# Altium PCB MotionBoard.PcbDoc (part 2 of 3)
Units mm, origin at the board's own origin, x right, y up, seen from the top; angles counter-clockwise.
Board outline 120 x 80 mm, 8 copper layers (Top Layer 1, GND, Inner 1, Inner 2, Inner 3, Inner 4, PWR, Bottom Layer 1), stack 1.028 mm thick; 748 components, 487 nets, 2634 pads, 32 vias.
Unrouted connection lines stored in the file: 1934.
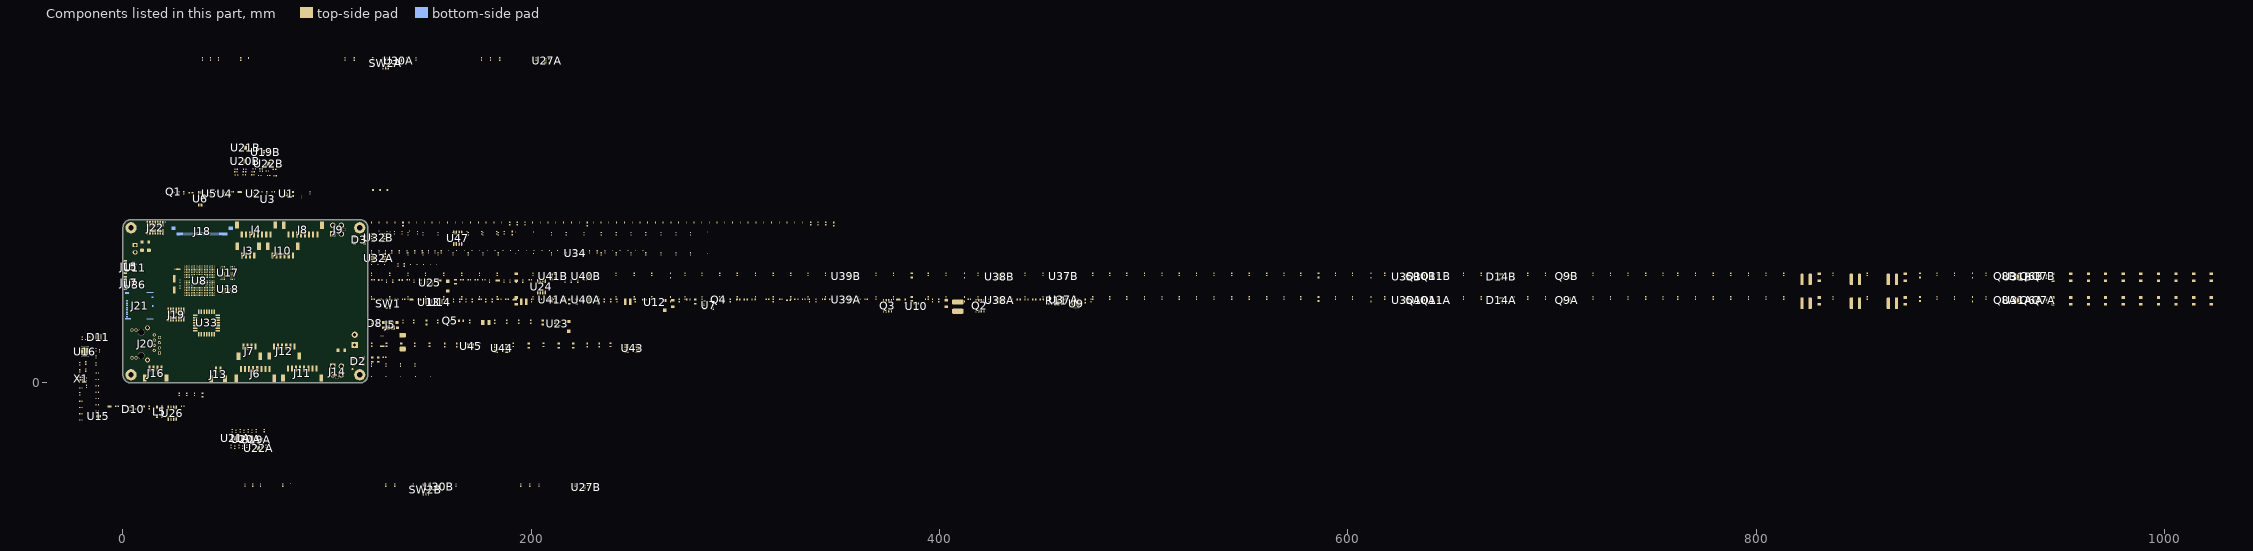
[diagram p4: the components of this part, seen from the top]

## Components (designator, comment, footprint, x,y, rotation, side; value= is the part's Value field where it differs from the comment) (continued)
R109B "5.6" SM/R0402 617.999,53.2 r90 top (schematic designator R109)
R110A "10k" SM/R0402 560.299,41.6 r90 top (schematic designator R110)
R110B "10k" SM/R0402 560.299,53.2 r90 top (schematic designator R110)
R111A "10k" SM/R0402 568.699,41.6 r90 top (schematic designator R111)
R111B "10k" SM/R0402 568.699,53.2 r90 top (schematic designator R111)
R112A "10k" SM/R0402 576.899,41.6 r90 top (schematic designator R112)
R112B "10k" SM/R0402 576.899,53.2 r90 top (schematic designator R112)
R113A "120" SM/R0402 517.399,41.6 r90 top (schematic designator R113)
R113B "120" SM/R0402 517.399,53.2 r90 top (schematic designator R113)
R114A "120" SM/R0402 508.999,41.6 r90 top (schematic designator R114)
R114B "120" SM/R0402 508.999,53.2 r90 top (schematic designator R114)
R115A "10k" SM/R0402 474.999,41.6 r90 top (schematic designator R115)
R115B "10k" SM/R0402 474.999,53.2 r90 top (schematic designator R115)
R116A "10k" SM/R0402 483.399,41.6 r90 top (schematic designator R116)
R116B "10k" SM/R0402 483.399,53.2 r90 top (schematic designator R116)
R117A "5.6" SM/R0402 466.599,41.6 r90 top (schematic designator R117)
R117B "5.6" SM/R0402 466.599,53.2 r90 top (schematic designator R117)
R118A "5.6" SM/R0402 418.799,41.6 r90 top (schematic designator R118)
R118B "5.6" SM/R0402 418.799,53.2 r90 top (schematic designator R118)
R119A "120" SM/R0402 327.099,41.6 r90 top (schematic designator R119)
R119B "120" SM/R0402 327.099,53.2 r90 top (schematic designator R119)
R120A "120" SM/R0402 318.499,41.6 r90 top (schematic designator R120)
R120B "120" SM/R0402 318.499,53.2 r90 top (schematic designator R120)
R121A "10k" SM/R0402 275.299,41.6 r90 top (schematic designator R121)
R121B "10k" SM/R0402 275.299,53.2 r90 top (schematic designator R121)
R122A "10k" SM/R0402 283.699,41.6 r90 top (schematic designator R122)
R122B "10k" SM/R0402 283.699,53.2 r90 top (schematic designator R122)
R123A "5.6" SM/R0402 309.799,41.6 r90 top (schematic designator R123)
R123B "5.6" SM/R0402 309.799,53.2 r90 top (schematic designator R123)
R124A "100" SM/R0402 216.6,41.6 r90 top (schematic designator R124)
R124B "100" SM/R0402 216.6,53.2 r90 top (schematic designator R124)
R125A "22" SM/R0402 200.8,41.6 r90 top (schematic designator R125)
R125B "22" SM/R0402 200.8,53.2 r90 top (schematic designator R125)
R126A "2m" SM/R1206 192.7,40.2 r90 top (schematic designator R126)
R126B "2m" SM/R1206 192.7,51.8 r90 top (schematic designator R126)
R127A "100" SM/R0402 174.6,41.6 r90 top (schematic designator R127)
R127B "100" SM/R0402 174.6,53.2 r90 top (schematic designator R127)
R128A "162k" SM/R0402 166,41.6 r90 top (schematic designator R128)
R128B "162k" SM/R0402 166,53.2 r90 top (schematic designator R128)
R129A "300k" SM/R0402 139.6,41.6 r90 top (schematic designator R129)
R129B "300k" SM/R0402 139.6,53.2 r90 top (schematic designator R129)
R130 "470" SM/R0805 213.5,18.3 r90 top
R131 "470" SM/R0805 220.6,18.3 r90 top
R132 "180" SM/R0603 150.2,18.7 r90 top net-tie
R133 "180" SM/R0603 143,18.7 r90 top net-tie
R134 "10k" SM/R0603 121.9,18.7 r90 top
R135 "10k" SM/R0603 129.1,18.7 r90 top
R159 "49.9" SM/R0402 196.9,78.1 r90 top
R160 "340k" SM/R0402 272.499,40.4 r90 top
R161 "10k" SM/R0402 250.899,40.4 r90 top
R162 "28k" SM/R0402 241.999,40.4 r90 top
R163 "909" SM/R0402 200.1,40.4 r90 top
R164 "10k" SM/R0402 142.9,64.2 r90 top
R165 "3.3k" SM/R0402 121.8,64.2 r90 top
R166 "0" SM/R0402 131.7,64.2 r90 top
R167 "0" SM/R0402 135.4,64.2 r90 top
R168 "0" SM/R0402 139.2,64.2 r90 top
R169 "0" SM/R1206 269.299,38.9 r90 top
R170 "30k" SM/R0402 186.8,73.6 r90 top
R171 "10k" SM/R0402 168.5,73.6 r90 top
R172 "15k" SM/R0402 144.3,73.6 r90 top
R173 "10k" SM/R0402 133,73.6 r90 top
R174 "30k" SM/R0402 136.7,73.6 r90 top
R175 "15k" SM/R0402 129.3,73.6 r90 top
S1 "M2.5" HW/HOLE/M2.5/VIA 4,4 r0 top locked
S2 "M2.5" HW/HOLE/M2.5/VIA 4,76 r0 top locked
S3 "M2.5" HW/HOLE/M2.5/VIA 116,4 r0 top locked
S4 "M2.5" HW/HOLE/M2.5/VIA 116,76 r0 top locked
SW1 "RESET" "PB TL6330" 130,38.8 r90 top value=TL6330AF200Q
SW2A "CS-4-22YTA" CS-4-22YA 128.7,156.484 r0 top (schematic designator SW2)
SW2B "CS-4-22YTA" CS-4-22YA 148.4,-52.216 r0 top (schematic designator SW2)
TP1 "RCUCTE" TP/RCUCT 57.2,93.484 r0 top
TP2 "RCUCTE" TP/RCUCT 461.599,40.8 r0 top
TP3 "RCUCTE" TP/RCUCT 379.799,40.8 r0 top
TP4 "RCUCTE" TP/RCUCT 215.3,40.8 r0 top
TP5 "RCUCTE" TP/RCUCT 191.9,40.8 r0 top
TP6 "RCUCTE" TP/RCUCT 145.2,40.8 r0 top
TP7 "RCUCTE" TP/RCUCT 141.3,40.8 r0 top
TP8 "RCUCTE" TP/RCUCT 183.6,50.2 r0 top
TP9 "RCUCTE" TP/RCUCT 155,50.2 r0 top
TP10 "RCUCTE" TP/RCUCT 9.884,-11.6 r0 top
TP11 "RCUCTE" TP/RCUCT -6.616,-11.6 r0 top
TP12 "RCUCTE" TP/RCUCT 27.1,55.7 r0 top
TP13 "RCUCTE" TP/RCUCT 255.299,40.8 r0 top
TP14 "RCUCTE" TP/RCUCT 127,18 r0 top
U1 "TXU0304" QFN40P170X200X55-12N 79.9,92.584 r0 top
U2 "TXU0304" QFN40P170X200X55-12N 63.8,92.584 r0 top
U3 "AS6214-AWLT-L" BGA6C40P3X2_131X102X60 71,90 r0 top
U4 "TXU0304" QFN40P170X200X55-12N 49.8,92.584 r0 top
U5 "TXU0304" QFN40P170X200X55-12N 42.2,92.584 r0 top
U6 "ISP281" SOIC-4 37.2,87.084 r90 top
U7 "TPSM5601R5HRDAR" TPSM5601R5HX 286.899,38.1 r0 top
U8 "TMS320F28388DZWTS" BGA337C80P19X19_1600X1600X140 37.5,50 r180 top locked
U9 "BD9611MUV-E2" QFN50P400X400X90-21N 466.899,38.9 r0 top
U10 "REF2030" SOT95P280X110-5N 388.599,37.6 r90 top
U11 "TXS0102QDCURQ1" TSSOP50P310X90-8N 5.7,56.5 r270 bottom
U12 "TPS62420DRCR" IC_TPS62420DRCR 260.499,39.5 r0 top
U13 "TPS3702CX33DDCT" SOT23-6 149.8,39.6 r0 top
U14 "TPS3702CX12DDCT" SOT23-6 155.1,39.6 r0 top
U15 "DT1140-04LP-UP" SOT1165-1 -11.984,-16.4 r90 top
U16 "DP83822IRHBR" IC_DP83822IRHBR -18.684,15.3 r90 top
U17 "AS4C16M16SA-6BIN" TFBGA-54 51.34,53.9 r0 top locked
U18 "IS61WV25616BLL-10BLI" BGA48C75P8X6_800X600X120N 51.365,45.975 r270 top locked
U19A "MAX4789EUK+T" SOT23-5 65.3,-27.9 r0 top (schematic designator U19)
U19B "MAX4789EUK+T" SOT23-5 70.055,112.95 r0 top (schematic designator U19)
U20A "MAX13431" DFN10_3X3MC_MCH-M 60.5,-27.5 r0 top (schematic designator U20)
U20B "MAX13431" DFN10_3X3MC_MCH-M 59.911,108.6 r0 top (schematic designator U20)
U21A "MAX13431" DFN10_3X3MC_MCH-M 55.2,-27.2 r0 top (schematic designator U21)
U21B "MAX13431" DFN10_3X3MC_MCH-M 60.055,115.2 r0 top (schematic designator U21)
U22A "MAX13431" DFN10_3X3MC_MCH-M 66.5,-31.916 r0 top (schematic designator U22)
U22B "MAX13431" DFN10_3X3MC_MCH-M 71.355,107.3 r0 top (schematic designator U22)
U23 "AP22814AW5-7" SOT23-5 212.7,29.1 r0 top
U24 "OPA1688ID" SOIC8 205,47.1 r90 top
U25 "LM27313DBV" SOT23-6 150.4,49 r0 top
U26 "MAX3051ESA+T" SOIC8 24.184,-14.8 r90 top
U27A "MAX4789EUK+T" SOT23-5 207.9,157.784 r0 top (schematic designator U27)
U27B "MAX4789EUK+T" SOT23-5 226.9,-51.016 r0 top (schematic designator U27)
U30A "MAX13431" DFN10_3X3MC_MCH-M 135.2,157.884 r0 top (schematic designator U30)
U30B "MAX13431" DFN10_3X3MC_MCH-M 155,-50.816 r0 top (schematic designator U30)
U31A "UCC27212DPRT" PSON80P400X80_HS-11N 928.098,40.4 r0 top (schematic designator U31)
U31B "UCC27212DPRT" PSON80P400X80_HS-11N 928.098,52 r0 top (schematic designator U31)
U32A "OPA1662" SOIC8 125.2,61.2 r0 top (schematic designator U32)
U32B "OPA1662" SOIC8 125.2,71.2 r0 top (schematic designator U32)
U33 "MTI-2-0I" MTI-1_PLCC_28P 41.007,29.413 r0 top locked
U34 "DG4051EEN-T1-GE4" QFN40P180X260X60-16N 221.6,63.6 r0 top
U35A "UCC27212DPRT" PSON80P400X80_HS-11N 628.899,40.4 r0 top (schematic designator U35)
U35B "UCC27212DPRT" PSON80P400X80_HS-11N 628.899,52 r0 top (schematic designator U35)
U36 "TXS0102QDCURQ1" TSSOP50P310X90-8N 5.7,48 r270 bottom
U37A "INA241A2IDDFR" SOT65P280X110-8N 460.899,40.7 r0 top (schematic designator U37)
U37B "INA241A2IDDFR" SOT65P280X110-8N 460.899,52.3 r0 top (schematic designator U37)
U38A "UCC27212DPRT" PSON80P400X80_HS-11N 429.399,40.4 r0 top (schematic designator U38)
U38B "UCC27212DPRT" PSON80P400X80_HS-11N 429.399,52 r0 top (schematic designator U38)
U39A "INA241A2IDDFR" SOT65P280X110-8N 354.399,40.7 r0 top (schematic designator U39)
U39B "INA241A2IDDFR" SOT65P280X110-8N 354.399,52.3 r0 top (schematic designator U39)
U40A "INA241A1IDDFR" SOT65P280X110-8N 226.9,40.7 r0 top (schematic designator U40)
U40B "INA241A1IDDFR" SOT65P280X110-8N 226.9,52.3 r0 top (schematic designator U40)
U41A "LMV331" SOT23-5 210.9,40.7 r0 top (schematic designator U41)
U41B "LMV331" SOT23-5 210.9,52.3 r0 top (schematic designator U41)
U43 "24CW128" SOIC8 249.399,16.9 r0 top
U44 "DS1307" SOIC8 185.5,16.9 r0 top
U45 "SN74AUC2G07DBVT" SOT23-6 170.3,18 r0 top
U47 "OPA1662" SOIC8 164,70.9 r90 top
X1 "ECS-250-10-37B-CTN-TR" XTAL_ECS-160-9-37-CKM-TR -20.484,2.1 r90 top value="25 MHz"
X2 "ECS-160-20-3X-TR" XTAL-ECS-160-20-3X-TR 25.1,48.3 r270 top value=10MHz

## Footprints (in the part's own frame and the unit in brackets; to place one, negate y for a bottom-side part, rotate by r counter-clockwise, add the part's x,y. Pads: shape width x height; smd on the part's side, far side on the other; paste and mask are expansions set on the pad)
687150149022 [mm]
  rect 0.3x1.3 smd: 1(-12.25,0)
  rrect50% 0.3x1.3 smd: 2(-11.75,0) 3(-11.25,0) 4(-10.75,0) 5(-10.25,0) 6(-9.75,0) 7(-9.25,0) 8(-8.75,0) 9(-8.25,0) 10(-7.75,0) 11(-7.25,0) 12(-6.75,0) 13(-6.25,0) 14(-5.75,0) 15(-5.25,0) 16(-4.75,0) 17(-4.25,0) 18(-3.75,0) 19(-3.25,0) 20(-2.75,0) 21(-2.25,0) 22(-1.75,0) 23(-1.25,0) 24(-0.75,0) 25(-0.25,0) 26(0.25,0) 27(0.75,0) 28(1.25,0) 29(1.75,0) 30(2.25,0) 31(2.75,0) 32(3.25,0) 33(3.75,0) 34(4.25,0) 35(4.75,0) 36(5.25,0) 37(5.75,0) 38(6.25,0) 39(6.75,0) 40(7.25,0) 41(7.75,0) 42(8.25,0) 43(8.75,0) 44(9.25,0) 45(9.75,0) 46(10.25,0) 47(10.75,0) 48(11.25,0) 49(11.75,0) 50(12.25,0)
  rect 2x1.8 smd: S(-14.05,-2.75) S(14.05,-2.75)
  silkscreen extent -14.7,-1.2 14.7,0.5, body extent -14.55,-6.22 14.55,0.28, height 2.22
ACT45B [mm] "COMMON MODE CHOKE"
  rect 1.35x0.9 smd: 1(-2.275,1.25) 2(-2.275,-1.25) 3(2.275,-1.25) 4(2.275,1.25)
  silkscreen extent -2.5,-1.6 2.4,2.2, body extent -2.25,-1.6 2.25,1.6, height 3
ARJM11D7-009-AB-EW2 [mm] "ARJM11D7-009-AB-EW2 Manufacturer Guidelines"
  rrect50% 1.5x1.5 hole 0.9: 1(4.445,8.89)
  round 1.5 hole 0.9: 2(3.175,6.35) 3(1.905,8.89) 4(0.635,6.35) 5(-0.635,8.89) 6(-1.905,6.35) 7(-3.175,8.89) 8(-4.445,6.35)
  round 1.6 hole 1: 9(-6.785,-2.54) 10(-6.785,-4.57) 11(6.785,-2.54) 12(6.785,-4.57)
  round 2.3 hole 1.7: S(-7.85,3.05) S(7.85,3.05)
  round 3.25 hole 3.25 unplated: ""(-5.715,0) ""(5.715,0)
  silkscreen extent -8.2,6 8.8,11, body extent -7.99,-10.8 7.99,10.85, height 13.8
BGA6C40P3X2_131X102X60 [mm] "BGA, 6-Leads, Body 1.31x1.02mmx0.60mm, Pitch 0.40mm"
  round 0.2 smd: A1(-0.4,0.2) A2(0,0.2) A3(0.4,0.2) B1(-0.4,-0.2) B2(0,-0.2) B3(0.4,-0.2)
  silkscreen extent -0.81,0.57 -0.71,0.67, body extent -0.65,-0.52 0.65,0.52, height 0.6
BGA48C75P8X6_800X600X120N [mm]
  round 0.33 smd: A1(-1.875,2.625) A2(-1.125,2.625) A3(-0.375,2.625) A4(0.375,2.625) A5(1.125,2.625) A6(1.875,2.625) B1(-1.875,1.875) B2(-1.125,1.875) B3(-0.375,1.875) B4(0.375,1.875) B5(1.125,1.875) B6(1.875,1.875) C1(-1.875,1.125) C2(-1.125,1.125) C3(-0.375,1.125) C4(0.375,1.125) C5(1.125,1.125) C6(1.875,1.125) D1(-1.875,0.375) D2(-1.125,0.375) D3(-0.375,0.375) D4(0.375,0.375) D5(1.125,0.375) D6(1.875,0.375) E1(-1.875,-0.375) E2(-1.125,-0.375) E3(-0.375,-0.375) E4(0.375,-0.375) E5(1.125,-0.375) E6(1.875,-0.375) F1(-1.875,-1.125) F2(-1.125,-1.125) F3(-0.375,-1.125) F4(0.375,-1.125) F5(1.125,-1.125) F6(1.875,-1.125) G1(-1.875,-1.875) G2(-1.125,-1.875) G3(-0.375,-1.875) G4(0.375,-1.875) G5(1.125,-1.875) G6(1.875,-1.875) H1(-1.875,-2.625) H2(-1.125,-2.625) H3(-0.375,-2.625) H4(0.375,-2.625) H5(1.125,-2.625) H6(1.875,-2.625)
  silkscreen extent -3.5,-4 3,4, body extent -3,-4 3,4, height 1.2
BGA337C80P19X19_1600X1600X140 [mm]
  round 0.45 smd: A1(-7.2,7.2) A2(-6.4,7.2) A3(-5.6,7.2) A4(-4.8,7.2) A5(-4,7.2) A6(-3.2,7.2) A7(-2.4,7.2) A8(-1.6,7.2) A9(-0.8,7.2) A10(0,7.2) A11(0.8,7.2) A12(1.6,7.2) A13(2.4,7.2) A14(3.2,7.2) A15(4,7.2) A16(4.8,7.2) A17(5.6,7.2) A18(6.4,7.2) A19(7.2,7.2) B1(-7.2,6.4) B2(-6.4,6.4) B3(-5.6,6.4) B4(-4.8,6.4) B5(-4,6.4) B6(-3.2,6.4) B7(-2.4,6.4) B8(-1.6,6.4) B9(-0.8,6.4) B10(0,6.4) B11(0.8,6.4) B12(1.6,6.4) B13(2.4,6.4) B14(3.2,6.4) B15(4,6.4) B16(4.8,6.4) B17(5.6,6.4) B18(6.4,6.4) B19(7.2,6.4) C1(-7.2,5.6) C2(-6.4,5.6) C3(-5.6,5.6) C4(-4.8,5.6) C5(-4,5.6) C6(-3.2,5.6) C7(-2.4,5.6) C8(-1.6,5.6) C9(-0.8,5.6) C10(0,5.6) C11(0.8,5.6) C12(1.6,5.6) C13(2.4,5.6) C14(3.2,5.6) C15(4,5.6) C16(4.8,5.6) C17(5.6,5.6) C18(6.4,5.6) C19(7.2,5.6) D1(-7.2,4.8) D2(-6.4,4.8) D3(-5.6,4.8) D4(-4.8,4.8) D5(-4,4.8) D6(-3.2,4.8) D7(-2.4,4.8) D8(-1.6,4.8) D9(-0.8,4.8) D10(0,4.8) D11(0.8,4.8) D12(1.6,4.8) D13(2.4,4.8) D14(3.2,4.8) D15(4,4.8) D16(4.8,4.8) D17(5.6,4.8) D18(6.4,4.8) D19(7.2,4.8) E1(-7.2,4) E2(-6.4,4) E3(-5.6,4) E4(-4.8,4) E5(-4,4) E6(-3.2,4) E7(-2.4,4) E8(-1.6,4) E9(-0.8,4) E10(0,4) E11(0.8,4) E12(1.6,4) E13(2.4,4) E14(3.2,4) E15(4,4) E16(4.8,4) E17(5.6,4) E18(6.4,4) E19(7.2,4) F1(-7.2,3.2) F2(-6.4,3.2) F3(-5.6,3.2) F4(-4.8,3.2) F5(-4,3.2) F6(-3.2,3.2) F7(-2.4,3.2) F8(-1.6,3.2) F9(-0.8,3.2) F10(0,3.2) F11(0.8,3.2) F12(1.6,3.2) F13(2.4,3.2) F14(3.2,3.2) F15(4,3.2) F16(4.8,3.2) F17(5.6,3.2) F18(6.4,3.2) F19(7.2,3.2) G1(-7.2,2.4) G2(-6.4,2.4) G3(-5.6,2.4) G4(-4.8,2.4) G5(-4,2.4) G6(-3.2,2.4) G14(3.2,2.4) G15(4,2.4) G16(4.8,2.4) G17(5.6,2.4) G18(6.4,2.4) G19(7.2,2.4) H1(-7.2,1.6) H2(-6.4,1.6) H3(-5.6,1.6) H4(-4.8,1.6) H5(-4,1.6) H6(-3.2,1.6) H8(-1.6,1.6) H9(-0.8,1.6) H10(0,1.6) H11(0.8,1.6) H12(1.6,1.6) H14(3.2,1.6) H15(4,1.6) H16(4.8,1.6) H17(5.6,1.6) H18(6.4,1.6) H19(7.2,1.6) J1(-7.2,0.8) J2(-6.4,0.8) J3(-5.6,0.8) J4(-4.8,0.8) J5(-4,0.8) J6(-3.2,0.8) J8(-1.6,0.8) J9(-0.8,0.8) J10(0,0.8) J11(0.8,0.8) J12(1.6,0.8) J14(3.2,0.8) J15(4,0.8) J16(4.8,0.8) J17(5.6,0.8) J18(6.4,0.8) J19(7.2,0.8) K1(-7.2,0) K2(-6.4,0) K3(-5.6,0) K4(-4.8,0) K5(-4,0) K6(-3.2,0) K8(-1.6,0) K9(-0.8,0) K10(0,0) K11(0.8,0) K12(1.6,0) K14(3.2,0) K15(4,0) K16(4.8,0) K17(5.6,0) K18(6.4,0) K19(7.2,0) L1(-7.2,-0.8) L2(-6.4,-0.8) L3(-5.6,-0.8) L4(-4.8,-0.8) L5(-4,-0.8) L6(-3.2,-0.8) L8(-1.6,-0.8) L9(-0.8,-0.8) L10(0,-0.8) L11(0.8,-0.8) L12(1.6,-0.8) L14(3.2,-0.8) L15(4,-0.8) L16(4.8,-0.8) L17(5.6,-0.8) L18(6.4,-0.8) L19(7.2,-0.8) M1(-7.2,-1.6) M2(-6.4,-1.6) M3(-5.6,-1.6) M4(-4.8,-1.6) M5(-4,-1.6) M6(-3.2,-1.6) M8(-1.6,-1.6) M9(-0.8,-1.6) M10(0,-1.6) M11(0.8,-1.6) M12(1.6,-1.6) M14(3.2,-1.6) M15(4,-1.6) M16(4.8,-1.6) M17(5.6,-1.6) M18(6.4,-1.6) M19(7.2,-1.6) N1(-7.2,-2.4) N2(-6.4,-2.4) N3(-5.6,-2.4) N4(-4.8,-2.4) N5(-4,-2.4) N6(-3.2,-2.4) N14(3.2,-2.4) N15(4,-2.4) N16(4.8,-2.4) N17(5.6,-2.4) N18(6.4,-2.4) N19(7.2,-2.4) P1(-7.2,-3.2) P2(-6.4,-3.2) P3(-5.6,-3.2) P4(-4.8,-3.2) P5(-4,-3.2) P6(-3.2,-3.2) P7(-2.4,-3.2) P8(-1.6,-3.2) P9(-0.8,-3.2) P10(0,-3.2) P11(0.8,-3.2) P12(1.6,-3.2) P13(2.4,-3.2) P14(3.2,-3.2) P15(4,-3.2) P16(4.8,-3.2) P17(5.6,-3.2) P18(6.4,-3.2) P19(7.2,-3.2) R1(-7.2,-4) R2(-6.4,-4) R3(-5.6,-4) R4(-4.8,-4) R5(-4,-4) R6(-3.2,-4) R7(-2.4,-4) R8(-1.6,-4) R9(-0.8,-4) R10(0,-4) R11(0.8,-4) R12(1.6,-4) R13(2.4,-4) R14(3.2,-4) R15(4,-4) R16(4.8,-4) R17(5.6,-4) R18(6.4,-4) R19(7.2,-4) T1(-7.2,-4.8) T2(-6.4,-4.8) T3(-5.6,-4.8) T4(-4.8,-4.8) T5(-4,-4.8) T6(-3.2,-4.8) T7(-2.4,-4.8) T8(-1.6,-4.8) T9(-0.8,-4.8) T10(0,-4.8) T11(0.8,-4.8) T12(1.6,-4.8) T13(2.4,-4.8) T14(3.2,-4.8) T15(4,-4.8) T16(4.8,-4.8) T17(5.6,-4.8) T18(6.4,-4.8) T19(7.2,-4.8) U1(-7.2,-5.6) U2(-6.4,-5.6) U3(-5.6,-5.6) U4(-4.8,-5.6) U5(-4,-5.6) U6(-3.2,-5.6) U7(-2.4,-5.6) U8(-1.6,-5.6) U9(-0.8,-5.6) U10(0,-5.6) U11(0.8,-5.6) U12(1.6,-5.6) U13(2.4,-5.6) U14(3.2,-5.6) U15(4,-5.6) U16(4.8,-5.6) U17(5.6,-5.6) U18(6.4,-5.6) U19(7.2,-5.6) V1(-7.2,-6.4) V2(-6.4,-6.4) V3(-5.6,-6.4) V4(-4.8,-6.4) V5(-4,-6.4) V6(-3.2,-6.4) V7(-2.4,-6.4) V8(-1.6,-6.4) V9(-0.8,-6.4) V10(0,-6.4) V11(0.8,-6.4) V12(1.6,-6.4) V13(2.4,-6.4) V14(3.2,-6.4) V15(4,-6.4) V16(4.8,-6.4) V17(5.6,-6.4) V18(6.4,-6.4) V19(7.2,-6.4) W1(-7.2,-7.2) W2(-6.4,-7.2) W3(-5.6,-7.2) W4(-4.8,-7.2) W5(-4,-7.2) W6(-3.2,-7.2) W7(-2.4,-7.2) W8(-1.6,-7.2) W9(-0.8,-7.2) W10(0,-7.2) W11(0.8,-7.2) W12(1.6,-7.2) W13(2.4,-7.2) W14(3.2,-7.2) W15(4,-7.2) W16(4.8,-7.2) W17(5.6,-7.2) W18(6.4,-7.2) W19(7.2,-7.2)
  silkscreen extent -8.1,-8 8,8.1, body extent -8,-8 8,8, height 1.34
CAP_EEEFK1K151AV [mil]
  round 1 smd: 1(-183.07,0) 2(183.07,0)
  Top Layer 1 region: 238.19,49.21 312.99,49.21 312.99,-49.21 238.19,-49.21 238.19,-135.83 127.95,-135.83 127.95,-49.21 76.77,-49.21 76.77,49.21 127.95,49.21 127.95,135.83 238.19,135.83
  Top Layer 1 region: -312.99,-49.21 -238.19,-49.21 -238.19,-135.83 -127.95,-135.83 -127.95,-49.21 -76.77,-49.21 -76.77,49.21 -127.95,49.21 -127.95,135.83 -238.19,135.83 -238.19,49.21 -312.99,49.21
  silkscreen extent -287,-266 266,266, body extent -293,-266 293,266, height 543
"CONN2/PHOENIX/MC 1.5-2-G-3.5" [mm]
  rect 2x2.5 hole 1.2: 1(0,0)
  oval 2x2.5 hole 1.2: 2(3.5,0)
  silkscreen extent -2.4,-0.7 6,1.8, body extent -2.41,-8.03 5.99,1.17, height 7.25
"CONN 2POS WEIDMULLER 5.08MM" [mm]
  rect 3x3 hole 1.5: 1(0,0)
  round 3 hole 1.5: 2(5.08,0)
  silkscreen extent -0.2,2.5 0.2,2.9, body extent -3.6,-10 8.56,2, height 9.4
CS-4-22YA [mm] "CS-4-22 series, SMD 6 J-Lead, Body 5.00x4.5mm, Manufacturer Guidelines"
  rrect50% 0.6x1.5 smd: 1(-1.3,-2.25) 2(0,-2.25) 3(1.3,-2.25) 4(-1.3,2.25) 5(0,2.25) 6(1.3,2.25)
  silkscreen extent -2.5,-2.9 2.5,2.25, body extent -2.5,-2.25 2.5,2.25, height 2.4
DFN10_3X3MC_MCH-M [mm]
  rect 0.8x0.28 smd: 1(-1.445,1)
  rrect50% 0.8x0.28 smd: 2(-1.445,0.5) 3(-1.445,0) 4(-1.445,-0.5) 5(-1.445,-1) 6(1.445,-1) 7(1.445,-0.5) 8(1.445,0) 9(1.445,0.5) 10(1.445,1)
  rrect25% 1.5x2.3 smd: 11(0,0)
  silkscreen extent -2.2,-1.63 1.63,1.8, body extent -1.5,-1.5 1.5,1.5
DIOM4226X23N [mm] "Molded Diode, 2-Leads, Body 4.20x2.65mm, IPC Medium Density"
  rrect50% 2x1.55 smd: 1(-1.7,0) 2(1.7,0)
  silkscreen extent -3.03,-1.4 2.25,1.45, body extent -2.47,-1.4 2.47,1.4, height 2.3
DIOM8059X26N [mm] "Molded Diode, 2-Leads, Body 7.95x5.93mm, IPC Medium Density"
  rrect50% 2.4x3.15 smd: 1(-3.375,0) 2(3.375,0)
  silkscreen extent -4.87,-3.15 4.1,3.15, body extent -4.3,-3.13 4.3,3.13, height 2.6
DO214AC [mm]
  rect 1.6x1.67 smd: 1(2.4,0) 2(-2.4,0)
  silkscreen extent -2.5,-1.33 2.5,1.33, body extent -2.55,-1.33 2.55,1.33, height 2.17
FIDUCIAL [mm] "Fiducial marker"
  round 1 smd paste-0.5 mask+0.5: F(0,0)
FTSH-107-04-LM-DV [mm]
  rect 0.74x2.795 smd: 1(3.81,2.032)
  rrect50% 0.74x2.795 smd: 2(3.81,-2.032) 3(2.54,2.032) 4(2.54,-2.032) 5(1.27,2.032) 6(1.27,-2.032) 7(0,2.033) 8(0,-2.033) 9(-1.27,2.032) 10(-1.27,-2.032) 11(-2.54,2.032) 12(-2.54,-2.032) 13(-3.81,2.032) 14(-3.81,-2.032)
  silkscreen extent 4.8,1.9 5,2.1, body extent -4.44,-2.92 4.44,2.92, height 6.72
HW/HOLE/M2.5/VIA [mm]
  round 5.5 hole 2.6: 1(0,0)
IC_DP83822IRHBR [mm]
  rect 0.6x0.25 smd: 1(-2.4,1.75)
  rrect25% 0.6x0.25 smd: 2(-2.4,1.25) 3(-2.4,0.75) 4(-2.4,0.25) 5(-2.4,-0.25) 6(-2.4,-0.75) 7(-2.4,-1.25) 8(-2.4,-1.75) 17(2.4,-1.75) 18(2.4,-1.25) 19(2.4,-0.75) 20(2.4,-0.25) 21(2.4,0.25) 22(2.4,0.75) 23(2.4,1.25) 24(2.4,1.75)
  rrect25% 0.25x0.6 smd: 9(-1.75,-2.4) 10(-1.25,-2.4) 11(-0.75,-2.4) 12(-0.25,-2.4) 13(0.25,-2.4) 14(0.75,-2.4) 15(1.25,-2.4) 16(1.75,-2.4) 25(1.75,2.4) 26(1.25,2.4) 27(0.75,2.4) 28(0.25,2.4) 29(-0.25,2.4) 30(-0.75,2.4) 31(-1.25,2.4) 32(-1.75,2.4)
  rect 3.45x3.45 smd paste-3: 33(0,0)
  silkscreen extent -3.39,-2.5 2.5,2.5, body extent -2.5,-2.5 2.5,2.5, height 1
IC_TPS62420DRCR [mm]
  rect 0.6x0.24 smd: 1(-1.4,1)
  rrect25% 0.6x0.24 smd: 2(-1.4,0.5) 3(-1.4,0) 4(-1.4,-0.5) 5(-1.4,-1) 6(1.4,-1) 7(1.4,-0.5) 8(1.4,0) 9(1.4,0.5) 10(1.4,1)
  round 0.025 smd paste-0.061: 11(0,0)
  Top Layer 1 region: 0.375,1.2 0.825,1.2 0.825,-1.2 0.375,-1.2 0.375,-1.7 0.125,-1.7 0.125,-1.2 -0.125,-1.2 -0.125,-1.7 -0.375,-1.7 -0.375,-1.2 -0.825,-1.2 -0.825,1.2 -0.375,1.2 -0.375,1.7 -0.125,1.7 -0.125,1.2 0.125,1.2 0.125,1.7 0.375,1.7
  silkscreen extent -2.49,-1.5 1.5,1.5, body extent -1.5,-1.5 1.5,1.5, height 1
IND_1255AY-4R7M=P3 [mm]
  rrect50% 2.5x5.7 smd: 1(-2.286,0) 2(2.286,0)
  silkscreen extent -1.2,-3 1.2,3, body extent -3,-3 3,3, height 4.5
LED_SK6812 [mm]
  rect 1.5x1.5 smd: 1(-2.45,1.6) 2(-2.45,-1.6) 3(2.45,-1.6) 4(2.45,1.6)
  silkscreen extent -3.95,-2.67 2.5,2.67, body extent -2.7,-2.5 2.7,2.5, height 1.6
MOLEX/2125201004 [mm]
  rect 2.7x2.7 hole 1.8: 1(0,0)
  round 2.7 hole 1.8: 2(-4.2,0) 3(0,4.2) 4(-4.2,4.2)
  round 1.54 hole 1.54 unplated: ""(-2.1,5.46)
  silkscreen extent -6.9,-3.4 2.7,8.15, body extent -6.91,-2.9 2.69,8.15, height 13.85
MOLEX/5024430270/CLIK-MATE/2MM [mm]
  rect 1x2.9 smd mask+0.076: 1(-1,-2.65) 2(1,-2.65)
  rect 1.8x3.6 smd mask+0.076: S(-3.35,2) S(3.35,2)
  silkscreen extent -4,-4.02 4,4.26, body extent -3.96,-3.47 4.04,4.23
MOLEX/5024430470/CLIK-MATE/2MM [mm]
  rect 1x2.9 smd mask+0.076: 1(-3,-3.05) 2(-1,-3.05) 3(1,-3.05) 4(3,-3.05)
  rect 1.8x3.6 smd mask+0.076: S(-5.35,1.6) S(5.35,1.6)
  silkscreen extent -6,-4.75 6,3.85, body extent -6,-3.89 6,3.81, height 7.47
MOLEX/5024430670/CLIK-MATE/2MM [mm]
  rect 1x2.9 smd: 1(-5,-3.05) 2(-3,-3.05) 3(-1,-3.05) 4(1,-3.05) 5(3,-3.05) 6(5,-3.05)
  rect 1.8x3.6 smd: S(-7.35,1.6) S(7.35,1.6)
  silkscreen extent -8,-4.85 8,3.85, body extent -8,-3.76 8,3.94, height 7.47
MOLEX/5024430870/CLIK-MATE/2MM [mm]
  rect 1x2.9 smd: 1(-7,-3.05) 2(-5,-3.05) 3(-3,-3.05) 4(-1,-3.05) 5(1,-3.05) 6(3,-3.05) 7(5,-3.05) 8(7,-3.05)
  rect 1.8x3.6 smd: S(-9.35,1.6) S(9.35,1.6)
  silkscreen extent -10,-4.55 10,3.85, body extent -10,-3.76 10,3.94, height 7.47
MOLEX_503398-1892 [mm]
  rect 0.7x1.1 smd: 1(-2.38,5.625)
  rrect50% 0.7x1.1 smd: 2(-1.28,5.625) 3(-0.18,5.625) 4(0.92,5.625) 5(2.02,5.625) 6(3.12,5.625) 7(4.22,5.625) 8(5.32,5.625)
  rrect50% 0.9x0.93 smd: 9(-4.17,-6.84)
  rrect50% 1.05x0.78 smd: 10(0.095,-6.915)
  rect 1.14x1.83 smd: P1(-6.26,5.61)
  rect 0.86x2.8 smd: P2(6.4,5.125)
  rect 0.7x3.33 smd: P3(-6.48,-5.64) P4(6.48,-5.64)
  Top Layer 1 keep-out region: -6.13,-1.277 -6.842,-1.277 -6.842,1.125 -6.13,1.125
  Top Layer 1 keep-out region: -4.685,-6.738 -5.245,-6.738 -5.245,-4.575 -4.685,-4.575